# Altium PCB balenaFin_v1_x_x.PcbDoc (part 3 of 7)
Units mm, origin at the board's own origin, x right, y up, seen from the top; angles counter-clockwise.
Board outline 90.03 x 90.03 mm, 8 copper layers (TOP, GND, INT1, INT2, INT3, INT4, POWER, BOTTOM), stack 1.496 mm thick; 502 components, 409 nets, 2324 pads, 1048 vias.
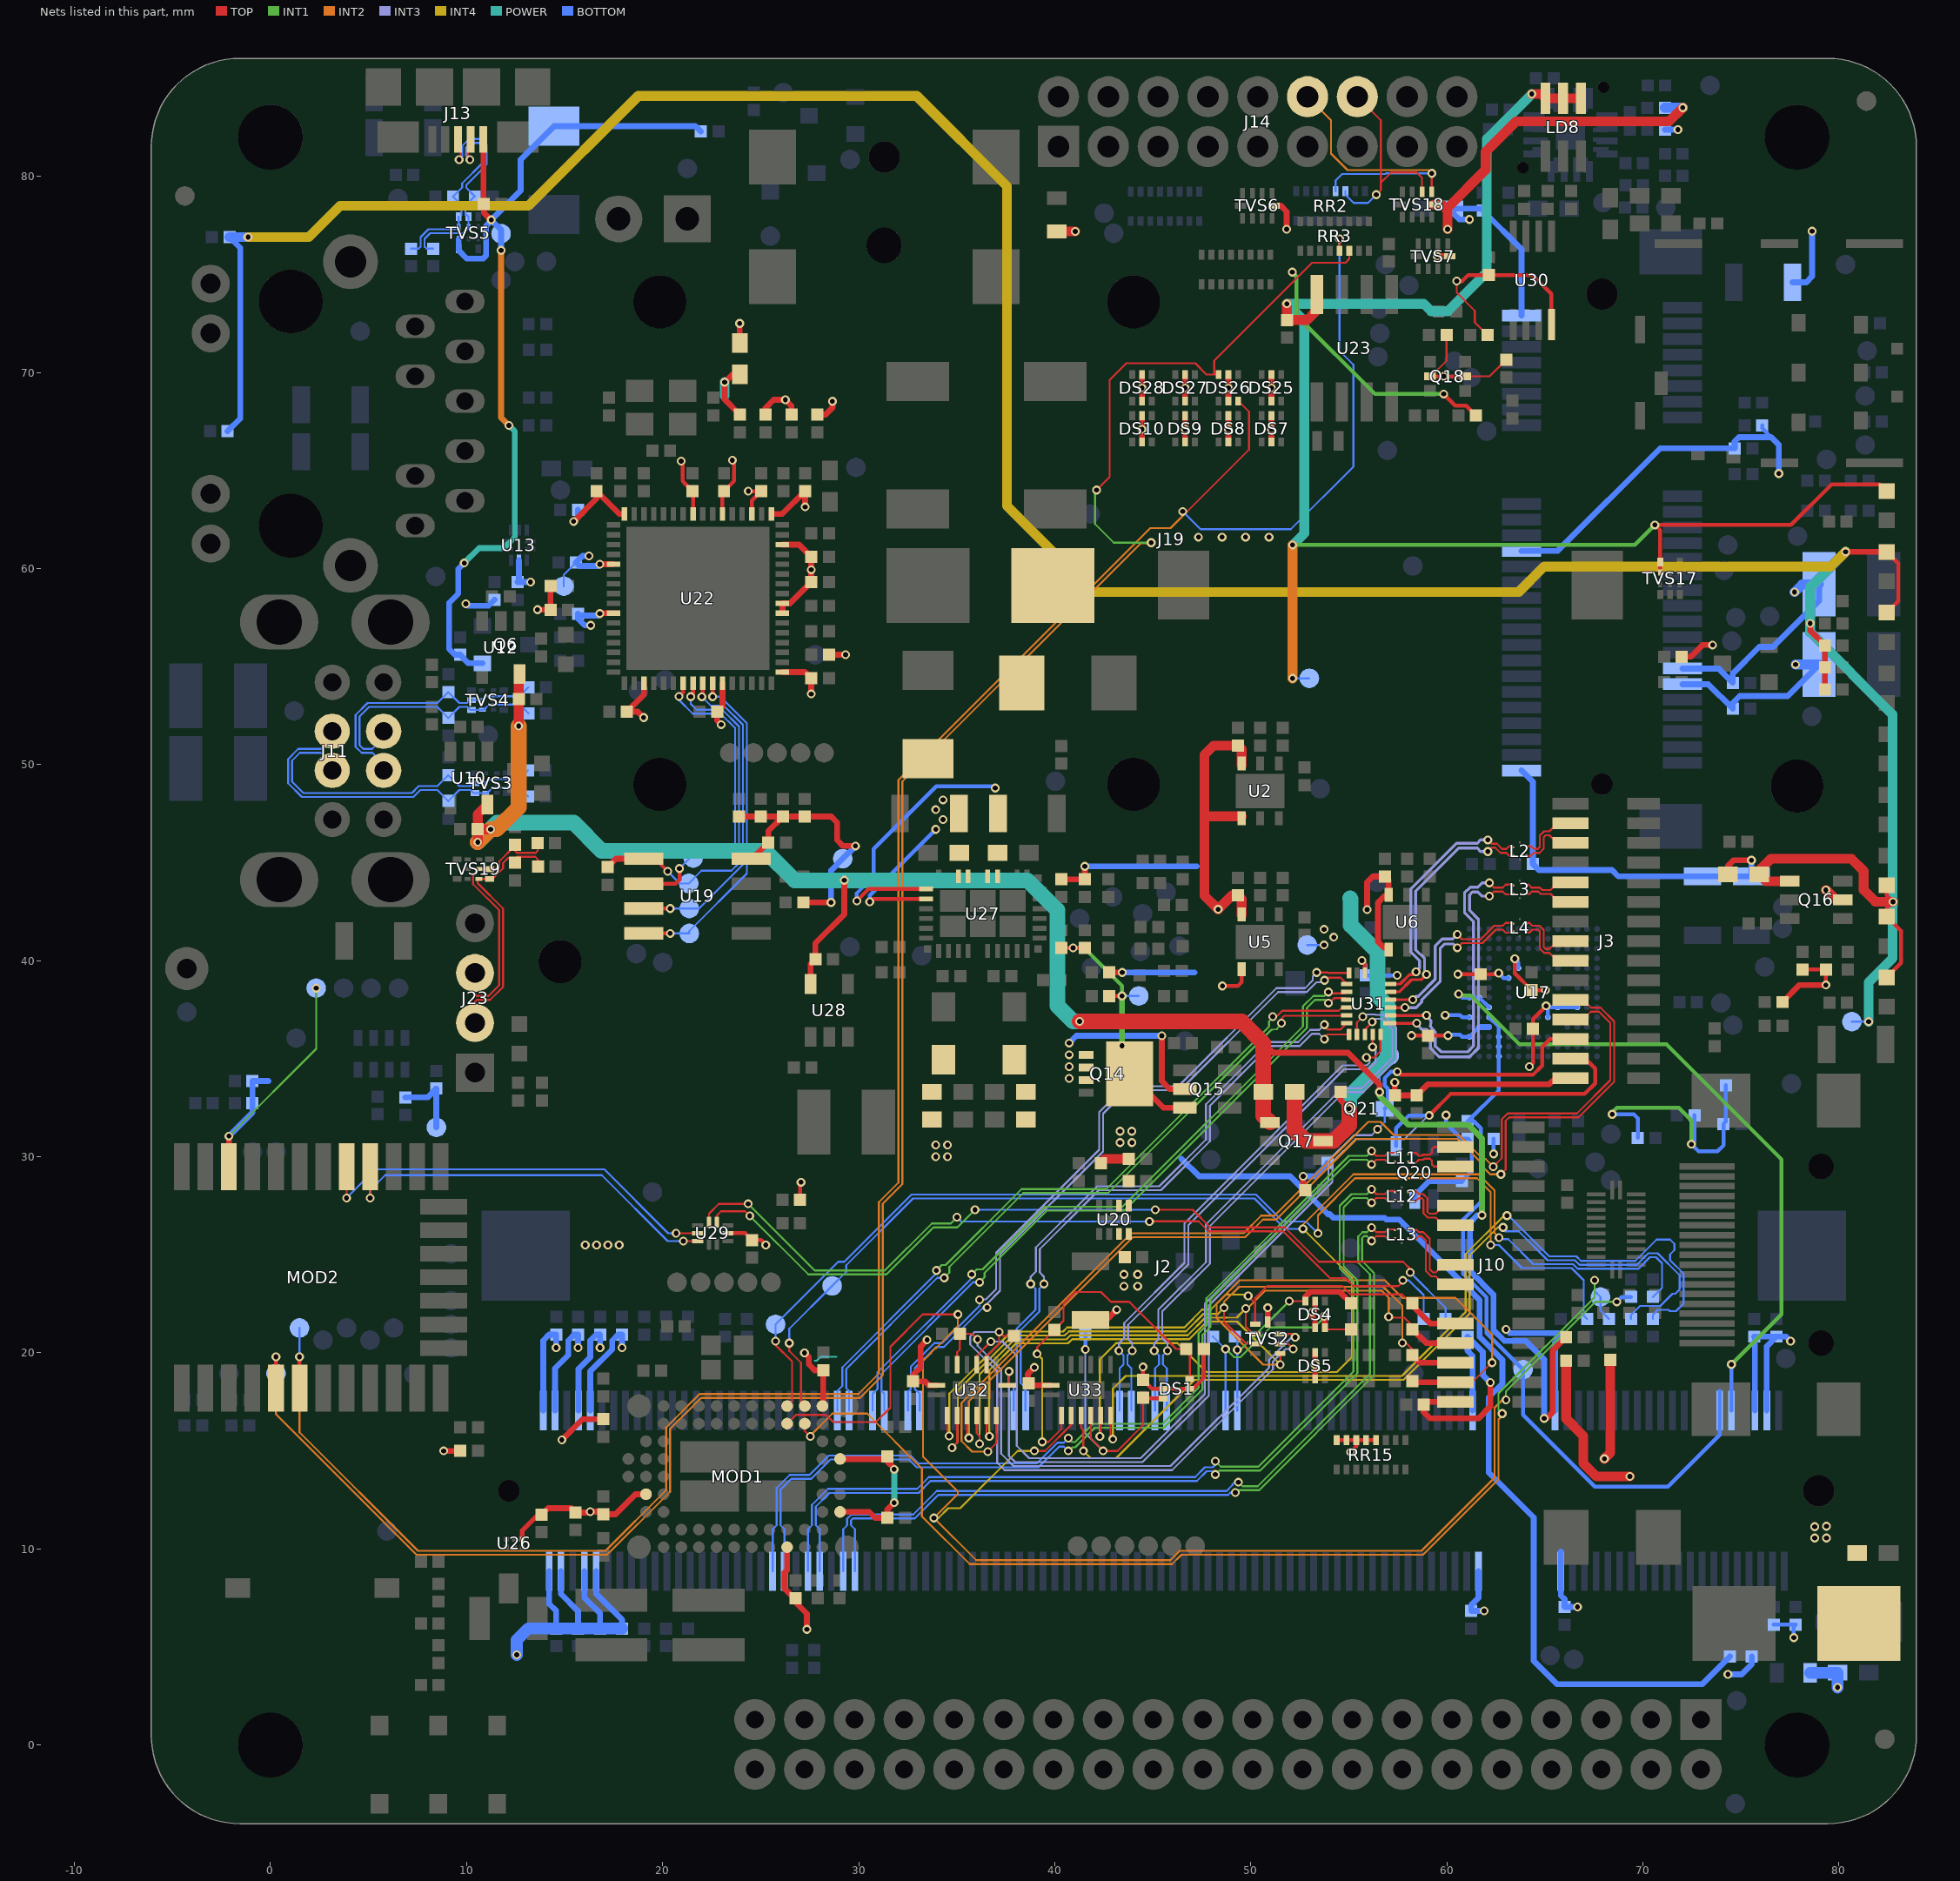
[diagram p9: the nets of this part, all layers, seen from the top]

## Via types
v1: diameter 0.45, hole 0.254, TOP to BOTTOM, tented both sides, 1048 vias

## Nets (pads, with @x,y where several pads share a name; then routed paths per layer and width w, separated by ;. In a path a pad name is that pad's centre, name@x,y a point inside that pad or via, vN(x,y) a via of type N, cw(c..) or ccw(c..) an arc to the next point about the centre after c; other vN are vias at no path point) (continued)
+3V3: C1.1 C2.1 C4.2 C5.1 C6.2 C7.1 C11.1 C12.1 C19.2 C20.1 C21.2 C22.1 C23.2 C24.1 C25.2 C26.1 C28.1 C40.1 C43.1 C61.1 C85.1 C109.2 C110.2 C111.2 C112.2 C113.1 C116.2 C118.1 C119.1 C121.2 C122.2 C124.1 C140.1 C149.1 C177.1 C178.1 C179.1 C180.1 C181.1 C189.2 C190.2 C191.2 C192.2 C193.2 C205.2 C206.2 C207.1 C208.1 C209.1 C210.2 C241.1 C243.1 C244.1 C245.1 DS1.2 DS1.5 DS4.2 DS4.5 DS5.2 DS5.5 F3.1 J2.4 J2.6 J2.39 J2.40 J2.41 J2.42 J2.191 J2.192 J2.193 J2.194 J2.197 J2.198 J2.199 J2.200 J3.15 J10.15 J19.2 J19.24 J19.39 J19.41 J19.52 L20.1 MOD1.A4 MOD1.A7 MOD1.B1 MOD1.D9 MOD1.M6 pad.1@29.185,45.2 pad.1@52.878,40.8 Q16.2 Q18.2 Q18.5 Q20.2 R2.2 R4.2 R5.2 R113.1 R133.2 R134.2 R135.2 R136.2 R137.2 R138.2 R169.2 R182.2 R184.1 R203.2 R205.2 R206.2 R207.2 R208.2 R209.2 R212.2 R219.1 R220.1 R235.2 R240.2 R245.1 R246.2 R248.2 R267.1 R271.2 R273.2 R274.2 R282.1 R283.2 R297.2 R316.2 R317.1 R318.1 R319.1 RR15.12 RR15.13 RR15.14 RR15.15 RR15.16 TVS2.10 U2.1 U2.6 U5.1 U5.6 U6.1 U6.6 U13.9 U17.C6 U17.E6 U17.F5 U17.J10 U17.K9 U17.M4 U17.N4 U17.P3 U17.P5 U19.8 U20.7 U20.8 U22.19 U22.27 U22.33 U22.39 U22.40 U22.46 U26.4 U29.9 U31.10 U32.16 U33.16 | length 339.7
  TOP w0.1: Q18.2@59.192,69.8 59.98,70.588 R283.2@59.98,71.9 ; Q18.5@60.93,69.8 62.18,69.8 R282.1@63.03,70.65
  TOP w0.2: U29.9@23.329,26.1 24.21,26.1 C241.1@24.56,25.75 25.01,25.75 v1(25.26,25.5) ; R297.2@27.01,27.8 27.01,28.65 v1(27.06,28.7) ; v1(44.5,19.282) R318.1@44.5,18.62 44.503,18.62 44.953,18.17 DS1.5@45.535,18.17 DS1.2@46.885,18.17 47.043,18.17 47.61,18.737 R319.1@47.61,20.2 ; v1(48.55,38.71) 49.34,38.71 49.53,38.9 U5.1@49.53,39.72 ; RR15.16@54.38,15.55 RR15.15@54.88,15.55 RR15.14@55.38,15.55 ; v1(55.085,14.948) 55.38,15.243 RR15.14@55.38,15.55 ; v1(55.663,40.01) 55.663,39.997 55.81,39.85 U31.10@55.81,39.378 ; RR15.12@56.38,15.55 RR15.13@55.88,15.55 RR15.14@55.38,15.55 ; v1(58.19,36.18) C109.2@59.03,36.18 v1(60.06,36.18) ; Q18.2@59.13,69.8 59.192,69.8 v1(59.83,69.8) Q18.5@60.93,69.8 ; v1(60.56,39.31) C112.2@61.72,39.31 62.592,39.31 v1(62.642,39.361) ; v1(63.464,40.1) 63.464,39.353 64.317,38.5 C110.2@64.32,38.5 v1(65.03,38.5) ; v1(64.208,34.6) 64.39,34.782 C111.2@64.39,36.52 64.39,37.028 v1(65.058,37.695) ; R271.2@78.13,39.55 R273.2@79.33,39.55 v1(79.33,38.76)
  TOP w0.25: U26.4@12.83,10.5 12.83,10.93 13.65,11.75 C210.2@13.83,11.75
  TOP w0.3: v1(8.83,15) R240.2@9.68,15 ; v1(13.618,57.9) R205.2@14.28,57.9 R212.2@14.28,59.1 ; C210.2@13.83,11.75 14.16,12.08 15.34,12.08 R220.1@15.56,11.86 16.268,11.86 v1(16.308,11.9) 16.84,11.9 C191.2@16.97,11.77 17.6,11.77 18.62,12.79 MOD1.M6@19.15,12.79 ; v1(14.86,15.56) 15.92,16.62 R219.1@16.97,16.62 ; v1(19.03,52.4) 18.73,52.7 C181.1@18.18,52.7 19.05,53.57 U22.19@19.05,54.16 ; v1(22.985,52.038) 22.78,52.243 C180.1@22.78,52.7 23.05,52.97 U22.27@23.05,54.16 ; R209.2@23.89,47.35 R208.2@25.01,47.35 R207.2@26.13,47.35 ; L20.1@23.93,71.5 v1(23.93,72.5) ; U19.8@24.516,45.2 24.56,45.2 C140.1@25.39,46.03 25.39,46.61 R207.2@26.13,47.35 ; U22.33@26.11,54.72 27.26,54.72 C179.1@27.58,54.4 v1(27.58,53.6) ; U22.39@26.11,57.72 U22.40@26.11,58.22 26.5,58.22 C178.1@27.58,59.3 v1(27.58,59.938) C177.1@27.58,60.6 26.96,61.22 U22.46@26.11,61.22 ; MOD1.D9@26.35,10.09 26.35,8.924 26.23,8.804 26.23,7.976 26.716,7.49 C190.2@26.79,7.49 26.79,7.27 27.36,6.7 v1(27.36,5.9) ; R169.2@27.18,42.97 v1(28.59,42.97) ; v1(27.235,20) 27.46,19.775 27.46,19.41 27.76,19.11 C193.2@28.19,19.11 28.19,17.33 MOD1.B1@28.15,17.29 ; R203.2@28.48,55.6 v1(29.33,55.6) ; MOD1.A7@29.05,11.89 30.539,11.891 30.84,11.59 C189.2@31.46,11.59 31.46,12.01 v1(31.81,12.36) ; MOD1.A4@29.05,14.59 31.33,14.59 C192.2@31.46,14.72 31.46,14.46 31.81,14.11 v1(31.81,14.06) ; v1(29.835,45.85) 29.199,45.85 28.899,46.15 28.899,47.05 28.599,47.35 R206.2@27.25,47.35 R207.2@26.13,47.35 ; v1(33.485,20.66) 33.16,20.335 33.16,19.26 32.76,18.86 C244.1@32.76,18.55 33.37,18.55 33.57,18.35 U32.16@33.97,18.35 ; v1(38.96,19.26) 38.627,18.927 38.627,18.503 C245.1@38.68,18.45 38.78,18.35 U33.16@39.79,18.35 ; R182.2@41.82,21.67 42.63,21.67 v1(43.16,22.2) ; TVS2.10@50.86,21.57 v1(50.86,22.3) ; v1(52.665,29.005) 52.665,28.415 R274.2@52.78,28.3 ; DS5.2@53.28,18.665 v1(53.28,19.4) DS5.5@53.28,20.015 ; DS4.5@53.28,21.285 53.28,21.65 53.136,21.794 v1(53.136,22.079) 53.28,22.224 DS4.2@53.28,22.635 ; v1(55.93,42.6) 55.93,44 56.22,44.29 C43.1@56.84,44.29 57.03,44.1 57.03,43.28 56.801,43.28 56.48,42.959 56.48,41.001 56.484,40.997 56.484,40.965 56.769,40.68 U6.1@57.029,40.68 ; v1(57.34,33.8) C12.1@57.34,33.13 C11.1@58.46,33.13 59.03,33.7 65.23,33.7 65.53,34 J3.15@66.308,34 ; J10.15@60.438,17.5 58.96,17.5 C61.1@58.82,17.36 58.82,16.975 59.14,16.655 61.605,16.655 62.215,17.265 v1(62.215,18.485) ; R248.2@71.98,55.5 72.43,55.5 73.03,56.1 v1(73.55,56.1) ; R267.1@74.33,44.4 74.33,44.825 74.63,45.125 v1(75.53,45.125) ; R2.2@77.11,37.89 77.98,38.76 v1(79.33,38.76)
  TOP w0.5: U5.6@49.53,42.32 49.53,43.14 C40.1@49.34,43.33 49.04,43.33 v1(48.33,42.62) 47.63,43.32 47.63,47.3 ; U2.1@49.53,47.36 47.69,47.36 47.63,47.3 ; U2.6@49.53,49.96 49.53,50.78 C28.1@49.34,50.97 48.1,50.97 47.63,50.5 47.63,47.3 ; v1(68.03,14.6) 68.33,14.9 R245.1@68.33,19.65 ; v1(79.33,43.6) 79.36,43.6 79.86,43.1 Q16.2@80.18,43.1
  INT1 w0.2: v1(68.43,32.165) 68.43,32.265 68.665,32.5 71.83,32.5 72.47,31.86 v1(72.47,30.64)
  POWER w0.1: 27.755,19.6 27.86,19.6 28.056,19.796 28.866,19.796
  POWER w0.3: v1(31.81,12.36) v1(31.81,14.06)
  BOTTOM w0.1: pad.1@52.878,40.8 v1(53.73,40.8)
  BOTTOM w0.2: v1(55.663,40.01) 55.663,39.997 55.86,39.8 C243.1@55.86,39.25 v1(57.46,39.25) ; v1(59.91,37.22) 60.673,37.22 60.773,37.12 U17.P5@61.15,37.12 ; v1(59.96,32.125) 59.96,31.7 60.74,30.92 R134.2@61.06,30.92 61.27,30.71 61.27,29.257 60.763,28.75 R316.2@60.76,28.75 ; v1(60.06,36.18) 60.1,36.22 60.673,36.22 60.773,36.12 U17.P3@61.15,36.12 U17.N4@61.65,36.62 ; v1(62.38,30.15) R133.2@62.38,30.92 ; v1(62.642,39.361) 62.883,39.12 U17.K9@63.15,39.12 ; v1(63.464,40.1) 63.65,39.914 U17.J10@63.65,39.62 ; v1(65.058,37.695) v1@65.133,37.62 ; U17.F5@65.15,37.12 65.15,37.603 v1@65.133,37.62 ; U17.C6@66.65,37.62 U17.E6@65.65,37.62 v1@65.133,37.62 ; v1(68.43,32.165) 69.53,32.165 69.73,31.965 R135.2@69.73,30.965 ; R138.2@72.63,32.116 72.63,30.8 v1(72.47,30.64) 72.835,30.275 73.796,30.275 74.105,30.584 R136.2@74.105,31.675 74.23,31.8 R137.2@74.23,33.648 ; R246.2@76.08,67.3 76.08,67.154 76.534,66.7 ; R4.2@76.67,6.14 R5.2@77.79,6.14 77.69,6.04 v1(77.69,5.478)
  BOTTOM w0.3: v1(9.96,58.2) 10.06,58.1 11.12,58.1 R113.1@11.43,58.41 ; U13.9@12.67,60.421 12.67,59.38 C85.1@12.6,59.31 v1(13.262,59.31) ; J2.200@13.91,17.06 13.91,20.63 14.21,20.93 C26.1@14.57,20.93 v1(14.57,20.268) ; J2.199@14.21,8.86 14.21,7.21 14.57,6.85 C25.2@14.57,5.94 ; J2.198@14.51,17.06 14.51,19.21 15.188,19.888 15.188,20.63 15.488,20.93 C24.1@15.69,20.93 v1(15.69,20.268) ; J2.197@14.81,8.86 14.81,7.71 15.69,6.83 C23.2@15.69,5.94 ; J2.194@15.71,17.06 15.71,19.18 16.308,19.778 16.308,20.63 16.608,20.93 C22.1@16.81,20.93 v1(16.81,20.268) ; J2.193@16.01,8.86 16.01,7.51 16.81,6.71 C21.2@16.81,5.94 ; J2.192@16.31,17.06 16.31,19.058 17.428,20.176 17.428,20.63 17.728,20.93 C20.1@17.93,20.93 v1(17.93,20.268) ; J2.191@16.61,8.86 16.61,7.71 17.93,6.39 C19.2@17.93,5.94 ; v1(28.59,42.97) 28.59,44.605 pad.1@29.185,45.2 v1(29.835,45.85) ; v1(52.665,29.005) 53.289,29.005 53.91,29.626 R317.1@53.91,29.7 ; Q20.2@58.36,27.85 58.36,28.029 59.081,28.75 R316.2@60.76,28.75 ; v1(61.151,77.8) 60.635,77.8 60.335,78.1 C116.2@60.335,78.355 61.73,78.355 C118.1@61.82,78.265 63.81,76.275 J19.2@63.81,72.9 ; J2.42@61.31,17.06 61.31,19.85 61.05,20.11 C7.1@61.05,20.83 61.83,20.05 61.83,18.87 v1(62.215,18.485) ; J2.41@61.61,8.86 61.61,7.51 61.24,7.14 C6.2@61.24,6.84 v1(61.902,6.84) ; U17.N4@61.65,36.62 U17.M4@62.15,36.62 ; v1(63.013,21.2) 63.202,21.01 65.63,21.01 C5.1@65.81,20.83 65.51,20.53 J2.40@65.51,17.06 ; J19.52@63.81,49.7 64.38,49.13 C124.1@64.38,44.93 64.69,44.62 68.42,44.62 68.74,44.3 C208.1@73.03,44.3 C209.1@75.53,44.3 v1(75.53,45.125) ; J19.24@63.81,60.9 65.654,60.9 70.884,66.13 C119.1@74.68,66.13 74.68,66.487 74.893,66.7 76.534,66.7 76.93,66.304 v1(76.93,64.845) ; 65.81,9.86 J2.39@65.81,8.86 65.81,7.63 66,7.44 C4.2@66,7.04 v1(66.662,7.04) ; R235.2@71.12,82.38 v1(71.782,82.38) ; J19.41@72.01,54.1 73.33,54.1 C122.2@74.58,52.85 74.58,53.15 74.93,53.5 77.38,53.5 C205.2@78.98,55.1 ; J19.39@72.01,54.9 73.85,54.9 C121.2@74.58,54.17 74.58,54.65 75.93,56 76.63,56 78.98,58.35 C206.2@78.98,59.2 ; v1(74.33,3.6) 75.03,3.6 75.55,4.12 R184.1@75.55,4.52 ; J2.6@75.71,17.06 75.71,20.8 C2.1@75.68,20.83 C1.1@76.8,20.83 ; J2.4@76.31,17.06 76.31,20.34 C1.1@76.8,20.83 ; v1(77.53,20.6) 77.3,20.83 C1.1@76.8,20.83 ; C207.1@77.63,74.6 78.33,74.6 78.63,74.9 v1(78.63,77.2)
  BOTTOM w0.5: v1(77.73,58.8) 78.13,59.2 C206.2@78.98,59.2 ; v1(77.778,55.1) C205.2@78.98,55.1
  BOTTOM w0.6: v1(12.56,4.6) 12.56,5.36 13.14,5.94 C25.2@14.57,5.94 C23.2@15.69,5.94 C21.2@16.81,5.94 C19.2@17.93,5.94 ; F3.1@78.53,3.69 C113.1@79.92,3.69 v1(79.92,2.938)
  other v1: 43.53,23.4 44.23,23.4 43.53,24 44.23,24 16.053,25.5 16.63,25.5 17.207,25.5 17.784,25.5 40.73,34 40.73,34.6 40.73,35.2 54.23,41.2 53.73,41.6 34.303,47.2 33.93,47.7 34.303,48.2
+3V3_A: C170.2 C171.2 C172.2 C173.2 C174.2 C175.2 C176.2 L20.2 pad.1@14.96,59.1 R162.2 R163.2 R164.2 R165.2 R200.2 U22.5 U22.10 U22.49 U22.51 U22.54 U22.57 U22.64 | length 30.1
  TOP w0.2: v1(20.946,65.48) 21.02,65.406 21.02,64.457 21.137,64.34 21.14,64.34 C175.2@21.53,63.95 21.55,63.93 U22.57@21.55,62.78 ; U22.54@23.05,62.78 23.05,63.87 C174.2@23.13,63.95 23.133,63.95 23.64,64.457 23.64,65.441 v1(23.556,65.526) ; v1(24.368,63.945) C173.2@25.025,63.945 ; U22.51@24.55,62.78 24.55,63.47 C173.2@25.025,63.945 ; C173.2@25.03,63.95 C173.2@25.025,63.945
  TOP w0.3: v1(15.46,62.4) 16.63,63.57 C176.2@16.63,63.95 17.8,62.78 U22.64@18.05,62.78 ; v1(16.793,57.7) 16.83,57.7 16.85,57.72 U22.10@17.49,57.72 ; v1(16.793,60.22) U22.5@17.49,60.22 ; R163.2@23.93,67.85 23.16,68.62 v1(23.16,69.5) 23.56,69.9 L20.2@23.93,69.9 ; R162.2@25.25,67.85 25.25,68.19 25.66,68.6 v1(26.26,68.6) 26.57,68.29 R165.2@26.57,67.85 ; U22.49@25.55,62.78 26.1,62.78 C172.2@27.27,63.95 v1(27.27,63.14) ; R164.2@27.89,67.85 28.31,67.85 28.66,68.2 v1(28.66,68.525)
  POWER w0.5: 23.16,68.8 v1(23.16,69.5)
  BOTTOM w0.1: pad.1@14.96,59.1 14.96,59.68 C170.2@15.58,60.3
  BOTTOM w0.3: v1(15.46,62.4) 15.68,62.62 R200.2@15.68,63 ; v1(16.241,60.638) 15.918,60.638 C170.2@15.58,60.3 15.744,60.136 16.709,60.136 v1(16.793,60.22) ; v1(16.331,57.101) 16.029,57.101 15.68,57.45 C171.2@15.68,57.7 15.78,57.6 16.12,57.6 16.123,57.603 16.696,57.603 v1(16.793,57.7)
+3V3_LED: LD5.2 LD9.2 LD10.2 LD11.2 LD17.2 pad.1@80.653,36.89 Q16.4 R174.2 R175.2 R177.2 R267.2 R307.2 R308.1 | length 169.9
  TOP w0.2: LD9.2@82.43,39.15 83.16,39.88 83.16,41.52 LD10.2@82.43,42.25 82.43,42.677 v1(82.755,43.002) 82.43,43.327 LD11.2@82.43,43.85 ; LD17.2@82.43,57.75 83.03,58.35 83.03,60.25 LD5.2@82.43,60.85
  TOP w0.3: v1(78.53,57.2) 78.53,56.83 R174.2@79.28,56.08 R177.2@79.28,54.96 R175.2@79.28,53.84 ; v1(80.33,60.85) LD5.2@82.43,60.85
  TOP w0.5: Q16.4@77.48,44.05 76.28,44.05 R267.2@75.93,44.4 75.93,44.6 76.53,45.2 80.628,45.2 81.26,44.568 81.26,43.6 81.858,43.002 v1(82.755,43.002)
  INT4 w0.5: v1(-1.14,76.9) 1.96,76.9 3.56,78.5 13.16,78.5 18.76,84.1 32.96,84.1 37.56,79.5 37.56,63.2 41.96,58.8 63.66,58.8 64.96,60.1 79.58,60.1 v1(80.33,60.85)
  POWER w0.5: v1(80.33,60.85) 78.53,59.05 v1(78.53,57.2) 78.53,56.75 82.73,52.55 82.73,43.09 82.755,43.065 v1(82.755,43.002) 82.755,42.855 82.73,42.83 82.73,40.123 81.505,38.898 v1(81.505,36.89)
  BOTTOM w0.1: pad.1@80.653,36.89 v1(81.505,36.89)
  BOTTOM w0.3: R308.1@-2.19,67 -1.54,67.65 -1.54,76.35 R307.2@-2.09,76.9
  BOTTOM w0.5: R307.2@-2.09,76.9 v1(-1.14,76.9)
+3V3_ON: C92.1 C93.1 C150.1 C151.1 C221.1 C229.1 C230.1 C242.1 DS7.2 DS7.5 DS8.2 DS8.5 DS9.2 DS9.5 DS10.2 DS10.5 DS25.2 DS25.5 DS26.2 DS26.5 DS27.2 DS27.5 DS28.2 DS28.5 F2.2 L24.2 MOD2.29 pad.1@8.46,31.5 R118.2 R128.2 R180.2 R183.1 R236.2 R254.2 R258.2 R288.2 R289.1 TP84.1 TVS6.10 TVS7.10 TVS18.10 U20.1 U20.2 U30.8 | length 137.1
  TOP w0.1: v1(60.5,74.66) 60.5,74.07 61.425,73.145 61.425,72.555 R289.1@62.08,71.9
  TOP w0.2: v1(59.83,68.9) 60.42,68.31 60.973,68.31 61.48,67.803 R288.2@61.48,67.8 ; v1(60.5,74.66) 60.779,74.66 61.089,74.97 C242.1@62.15,74.97 64.36,74.97 65.33,74 U30.8@65.33,72.45
  TOP w0.3: MOD2.29@-2.12,29.5 v1(-2.12,31.052) ; C221.1@40.33,44.15 R258.2@41.53,44.15 v1(41.53,44.812) ; R254.2@42.78,39.4 v1(43.442,39.4) ; DS10.2@44.45,66.445 v1(44.45,67.1) DS10.5@44.45,67.795 ; DS28.5@44.45,68.545 v1(44.45,69.2) DS28.2@44.45,69.895 ; DS9.2@46.65,66.445 v1(46.65,67.1) DS9.5@46.65,67.795 ; DS27.5@46.65,68.545 v1(46.65,69.2) DS27.2@46.65,69.895 ; DS8.2@48.85,66.445 v1(48.85,67.1) DS8.5@48.85,67.795 ; DS26.5@48.85,68.545 v1(48.85,69.2) DS26.2@48.85,69.895 ; DS7.2@51.05,66.445 v1(51.05,67.1) DS7.5@51.05,67.795 ; DS25.2@51.05,68.545 v1(51.05,69.2) DS25.5@51.05,69.895 ; TVS6.10@51.19,78.5 51.53,78.5 51.83,78.2 v1(51.83,77.3) ; v1(59.508,75.92) TVS7.10@60.15,75.92
  TOP w0.5: F2.2@40.1,77.19 v1(41.04,77.19) ; R180.2@42.35,29.67 42.57,29.89 C151.1@43.77,29.89 ; TVS18.10@59.34,78.56 59.73,78.56 60.03,78.26 ; v1(60.03,77.3) 60.03,78.26 ; v1(72.03,83.5) 71.33,82.8 63.53,82.8 61.97,81.24 61.97,80.33 60.03,78.39 60.03,78.26
  INT1 w0.1: v1(-2.12,31.052) 2.33,35.502 v1(2.33,38.6)
  INT1 w0.2: v1(52.115,75.115) 52.33,74.9 52.33,72.9 56.33,68.9 v1(59.83,68.9)
  BOTTOM w0.3: v1(-2.12,31.052) -0.92,32.252 C92.1@-0.92,32.74 C93.1@-0.92,33.86 -0.11,33.86 ; R128.2@6.87,33.03 8.01,33.03 R118.2@8.46,33.48 pad.1@8.46,31.5 ; v1(41.53,44.812) 47.242,44.812 ; v1(43.442,39.4) 47.13,39.4 ; 46.46,29.9 47.36,29 51.998,29 53.923,27.075 54.027,27.075 54.217,26.885 56.823,26.885 56.907,26.8 57.56,26.8 61.67,22.69 61.67,20.807 62.83,19.647 62.83,18.428 62.13,17.728 62.13,13.9 64.43,11.6 64.43,4.29 65.62,3.1 73.01,3.1 R183.1@74.43,4.52
  BOTTOM w0.5: R236.2@71.12,83.5 v1(72.03,83.5)
  other v1: 33.93,30 34.53,30 33.93,30.6 34.53,30.6 43.326,30.723 43.934,30.724 43.33,31.301 43.93,31.301 47.33,61.6 48.53,61.6 49.73,61.6 50.93,61.6
+5V: C114.1 C188.1 C222.1 C223.1 DS32.2 F4.2 LD4.2 LD8.4 LD8.5 LD8.6 pad.1@52.982,54.4 Q14.1 Q14.2 Q14.3 Q15.5 Q17.2 R244.1 R268.1 R272.2 TVS17.5 U23.8 U27.7 U27.8 U27.12 | length 126.3
  TOP w0.2: v1(30.56,43) 30.71,43.15 U27.12@33.43,43.15 ; TVS17.5@70.88,59.8 TVS17.5@70.88,60.325 70.88,61.95 v1(70.607,62.223) 77.553,62.223 79.63,64.3 82.08,64.3 LD4.2@82.43,63.95
  TOP w0.3: v1(45.463,36.17) 45.463,33.857 45.87,33.45 Q15.5@46.63,33.45 ; R272.2@54.58,33.3 54.58,32.884 v1(55.012,32.452)
  TOP w0.5: v1(51.84,73.5) C188.1@51.84,72.67 52.87,72.67 53.37,73.17 U23.8@53.37,73.976 ; v1(64.33,84.2) 64.805,84.2 LD8.6@65.03,83.975 LD8.5@65.93,83.975 LD8.4@66.83,83.975 ; R244.1@66.08,19.6 66.08,16.64 66.96,15.76 66.96,14.36 67.62,13.7 v1(69.33,13.7)
  TOP w0.8: R268.1@52.23,33.3 52.23,31.366 52.796,30.8 Q17.2@53.68,30.8 54.212,30.8 55.012,31.6 v1(55.012,32.452)
  INT1 w0.2: v1(52.13,61.2) 69.585,61.2 v1(70.607,62.223)
  INT2 w0.5: v1(52.13,54.4) v1(52.13,61.2)
  POWER w0.5: v1(52.13,61.2) 52.73,61.8 52.73,72.61 v1(51.84,73.5) 58.817,73.5 59.192,73.125 60.057,73.125 62.03,75.098 62.03,81.9 v1(64.33,84.2)
  POWER w0.8: v1(55.012,32.452) 55.012,33.078 56.985,35.05 56.985,37.675 56.46,38.2 56.46,40.441 55.085,41.817 55.085,43.145 55.055,43.175
  BOTTOM w0.1: v1(52.13,54.4) pad.1@52.982,54.4
  BOTTOM w0.2: v1(30.56,43) 30.56,43.33 v1(33.93,46.7)
  BOTTOM w0.3: v1(40.73,35.8) 41.1,36.17 v1(45.463,36.17)
  other v1: 78.76,10.558 79.36,10.56 78.76,11.135 79.36,11.16
+5V_DEV: C63.1 C75.1 C235.1 pad.1@57.06,35.16 Q17.4 R243.1 R268.2 U10.5 U12.5 U28.5 | length 107.8
  TOP w0.3: U28.5@27.55,38.81 27.55,39.84 C235.1@27.79,40.08 27.79,40.89 29.26,42.36 v1(29.26,44.1) ; 50.63,35.8 51.13,35.3 54.96,35.3 56.56,33.7 v1(56.56,33.3) ; v1(64.96,16.66) 65.09,16.66 65.39,16.96 65.39,20.11 R243.1@66.08,20.8
  TOP w0.5: v1(10.57,46.038) C63.1@10.57,46.7 ; U10.5@11.07,47.96 10.57,47.46 C63.1@10.57,46.7 ; v1(11.232,46.7) C63.1@10.57,46.7 ; v1(12.66,51.97) C75.1@12.66,53.34 12.66,54.58 U12.5@12.7,54.62
  TOP w0.8: v1(41.27,36.9) 49.53,36.9 50.63,35.8 R268.2@50.63,33.3 50.63,32.1 Q17.4@50.98,31.75
  INT1 w0.3: v1(56.56,33.3) 56.56,33.1 58.03,31.63 61.09,31.63 61.79,30.93 v1(61.79,27.02)
  INT2 w0.8: v1(10.57,46.038) v1(11.232,46.7) 11.547,46.7 12.66,47.813 v1(12.66,51.97)
  POWER w0.8: v1(10.57,46.038) v1(11.232,46.7) 11.566,47.034 15.46,47.034 16.894,45.6 25.23,45.6 26.73,44.1 v1(29.26,44.1) 38.6,44.1 40.13,42.57 40.13,37.7 40.93,36.9 v1(41.27,36.9)
  BOTTOM w0.1: v1(56.56,33.3) 56.56,34.66 pad.1@57.06,35.16
  BOTTOM w0.3: v1(61.79,27.02) 61.545,27.02 61.18,26.655 61.18,24.17 62.37,22.98 62.37,21.171 62.931,20.61 64.01,20.61 64.96,19.66 v1(64.96,16.66)
+5V_INT: C220.1 C227.1 C228.1 L23.2 pad.1@44.282,38.2 Q14.5 Q15.6 R255.2 R257.2 | length 12.6
  TOP w0.2: C220.1@40.33,40.65 v1(40.93,40.65) R257.2@41.53,40.65 ; R255.2@42.78,38.2 v1(43.43,38.2)
  TOP w0.3: Q14.5@43.82,34.23 45.55,32.5 Q15.6@46.63,32.5
  INT1 w0.2: v1(40.93,40.65) 41.5,40.65 43.43,38.72 v1(43.43,38.2)
  INT1 w0.3: v1(43.43,35.66) v1(43.43,38.2)
  BOTTOM w0.1: v1(43.43,38.2) pad.1@44.282,38.2
+5V_USB_DBG: C88.1 DS33.2 J13.1 pad.1@11.76,77.077 Q6.1 R116.2 R237.2 TVS5.5 | length 48.6
  TOP w0.3: J13.1@10.86,81.875 10.86,78.6 C88.1@10.88,78.58 10.88,78.152 v1(11.257,77.775)
  INT2 w0.3: v1(11.76,76.225) 11.76,67.7 v1(12.16,67.3)
  POWER w0.3: v1(9.882,60.278) 10.639,61.035 11.895,61.035 12.46,61.6 12.46,67 v1(12.16,67.3)
  BOTTOM w0.3: TVS5.5@9.6,76.8 TVS5.5@9.6,76.295 9.6,76.22 10.02,75.8 10.834,75.8 11,75.966 11,77.478 11.257,77.734 v1(11.257,77.775) v1@11.26,77.775 ; v1(9.882,60.278) 9.577,59.973 9.577,58.717 9.11,58.25 9.11,55.9 9.41,55.6 R116.2@9.67,55.6 10.1,55.17 Q6.1@10.81,55.17 ; v1(11.76,76.225) pad.1@11.76,77.077 11.76,77.275 v1@11.26,77.775 ; R237.2@21.945,82.285 21.67,82.56 DS33.2@14.46,82.56 12.76,80.86 12.76,79.275 v1@11.26,77.775
+VALIM: C224.1 C225.1 F1.2 TVS1.1 U27.4 U27.5 U27.11 | length 14.3
  TOP w0.2: v1(29.906,43.053) 30.503,43.65 U27.11@33.43,43.65
  BOTTOM w0.2: v1(29.906,43.053) 29.906,43.446 30.76,44.3 30.76,45.7 33.96,48.9 36.862,48.9 v1(36.96,48.802)
ARTIK-RX_CM3-TX: MOD2.23 U29.5 | length 20.4
  TOP w0.1: v1(5.08,27.9) MOD2.23@5.08,29.5 ; v1(21.06,25.7) U29.5@21.792,25.7
  BOTTOM w0.1: v1(5.08,27.9) 5.08,28.288 5.852,29.06 16.9,29.06 20.26,25.7 v1(21.06,25.7)
ARTIK-TX_CM3-RX: MOD2.24 U29.4 | length 21.5
  TOP w0.1: v1(3.88,27.9) MOD2.24@3.88,29.5 ; v1(20.685,26.102) 21.06,26.102 21.062,26.1 U29.4@21.792,26.1
  BOTTOM w0.1: v1(3.88,27.9) 5.34,29.36 17.024,29.36 20.282,26.102 v1(20.685,26.102)
BT_PCM_CLK: MOD1.C1 pad.1@28.644,23.416 R7.2 U33.6 | length 85.9
  TOP w0.1: v1(26.46,20.5) 26.46,20.1 27.06,19.5 27.06,17.48 MOD1.C1@27.25,17.29 ; v1(42.295,15.735) 42.34,15.78 U33.6@42.34,16.8
  INT2 w0.1: v1(52.656,26.326) 52.656,26.526 55.23,29.1 61.613,29.1 62.43,28.283 62.43,26.105 v1(62.66,25.875)
  INT4 w0.1: v1(42.295,15.735) 42.295,19.669 43.127,20.5 46.26,20.5 47.735,19.025 54.385,19.025 55.16,19.8 55.16,23.822 v1(52.656,26.326)
  BOTTOM w0.1: v1(26.46,20.5) 26.46,21.233 pad.1@28.644,23.416 29.36,24.133 29.36,24.464 32.771,27.875 50.185,27.875 51.734,26.326 v1(52.656,26.326) ; v1(62.66,25.875) 62.735,25.8 63.128,25.8 64.403,24.525 66.438,24.525 66.673,24.29 69.77,24.29 70.355,24.875 70.665,24.875 70.97,24.57 70.97,23.31 R7.2@70.51,22.85
BT_PCM_CLK_I2C_SDA: R8.2 U33.7 | length 44.8
  TOP w0.1: U33.7@42.84,16.8 42.84,15.721 v1(42.96,15.601)
  INT4 w0.1: v1(42.96,15.601) 42.96,18.17 43.615,18.825 57.702,18.825 60.96,22.083 60.96,25.043 62.917,27 v1(63.06,27)
  BOTTOM w0.1: v1(63.06,27) 63.143,27 65.218,24.925 66.604,24.925 66.839,24.69 69.604,24.69 70.689,25.775 71.385,25.775 71.605,25.555 71.605,25.245 71.385,25.025 71.385,24.721 72.065,24.041 72.065,22.505 71.685,22.125 71.375,22.125 71.31,22.19 70.755,22.19 70.51,21.945 R8.2@70.51,21.73
BT_PCM_IN: MOD1.D1 pad.1@25.76,21.452 R12.2 | length 56.9
  TOP w0.1: v1(25.76,20.6) 25.76,20.4 26.6,19.56 26.6,17.54 MOD1.D1@26.35,17.29
  INT2 w0.1: v1(53.421,26.091) 53.421,27.009 55.313,28.9 61.53,28.9 62.23,28.2 v1(62.23,25.5)
  BOTTOM w0.1: v1(25.76,20.6) pad.1@25.76,21.452 28.958,24.65 29.263,24.65 32.688,28.075 50.268,28.075 51.642,26.701 52.812,26.701 v1(53.421,26.091) ; v1(62.23,25.5) 62.651,25.5 63.826,24.325 66.355,24.325 66.98,23.7 66.98,23.18 66.98,21.9 R12.2@67.15,21.73
BT_PCM_OUT: MOD1.C2 pad.1@67.83,22.85 R11.2 | length 57.4